# Allegro board RK3588S_Template_LP4XD200P232SD10H2_30X30_2133MHz_H1R6_V11_20220218YWQ.brd (continued)
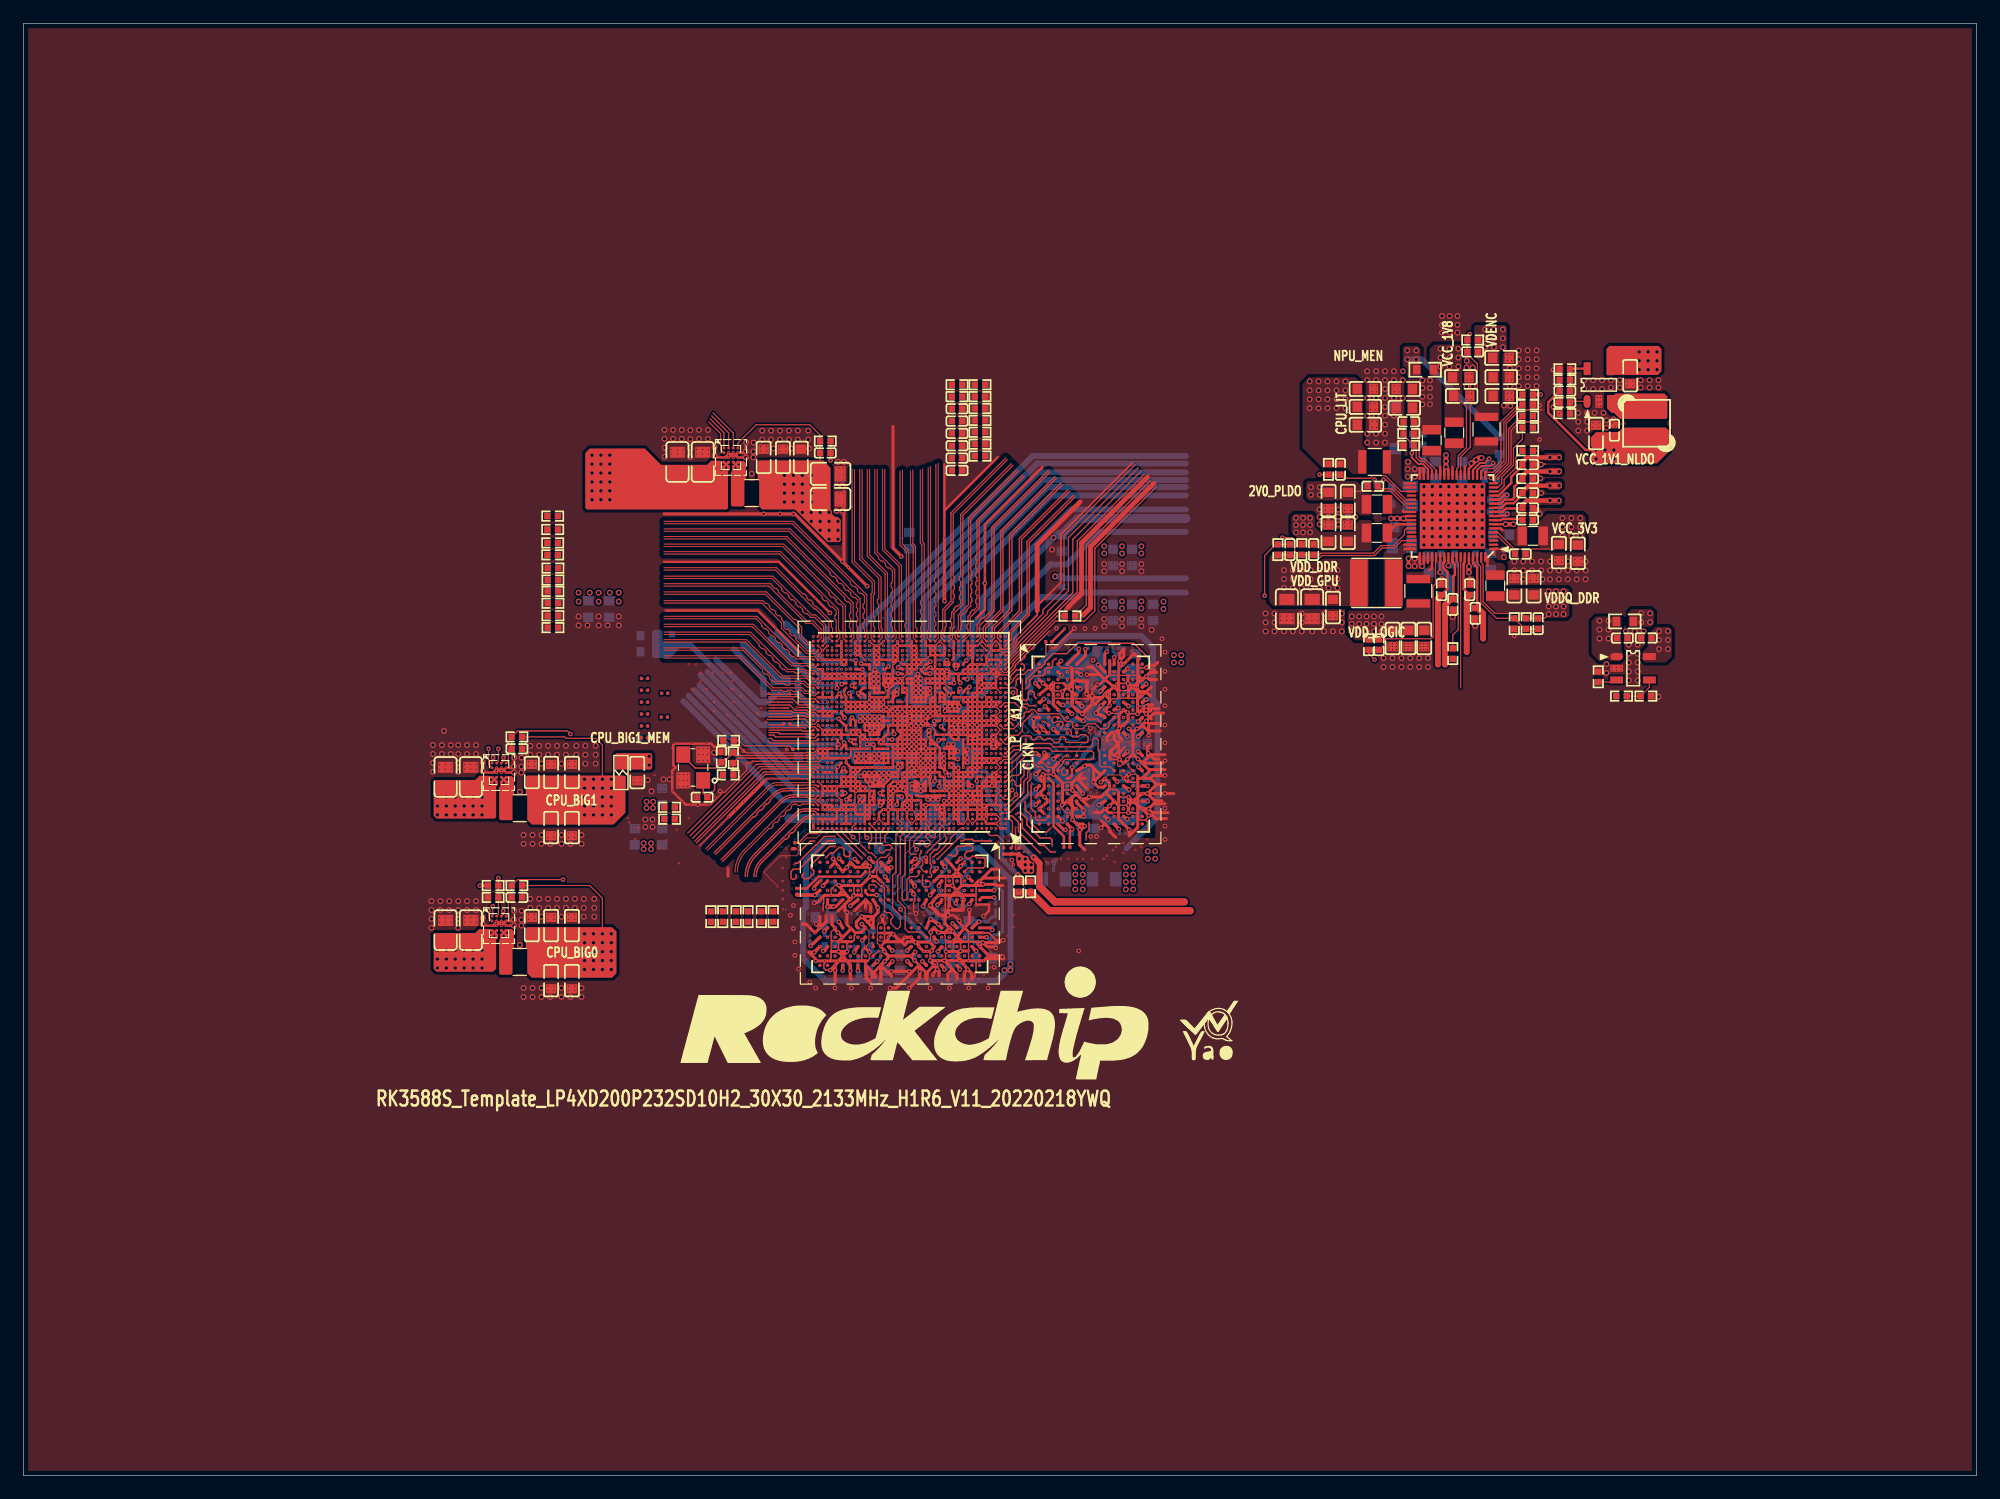
[diagram p0: board, top side]
## Nets (continued)
PMIC_VDC: C2260.1 D2600.2(CATHODE) R2264.2 R2265.2 U2200.32(VDC)
PWM8_M2: R1931.2
PWRON_L: C2261.1 U2200.4(PWRON)
RK803_EN1_FLOOD: U1000.AW26(GPIO4_A7_D)
RK803_EN2_PRO: U1000.AV23(GPIO4_B3_U)
RTC_32K_IN: U1000.AD38(GPIO0_B2_U)
RTC_INT_L: U1000.AC37(GPIO0_B0_Z)
SARADC_VIN0_BOOT: C1500.1 R1501.2 R1502.1 U1000.AW15(SARADC_IN0_BOOT)
SARADC_VIN1_KEY/RECOVERY: C1501.1 R1500.1 U1000.AY13(SARADC_IN1)
SARADC_VIN3_HP_HOOK: C1503.1 U1000.AV13(SARADC_IN3)
SARADC_VIN4_BATT_TC_L: C1504.1 R1506.2 R1508.1 U1000.AY15(SARADC_IN4)
SARADC_VIN5: C1505.1 R1520.1 R1521.1 U1000.AW13(SARADC_IN5)
SARADC_VIN5_HW_ID: R1505.2 R1507.1 R1520.2
SD_CLK: R1320.1 U1000.AR1(GPIO4_D5_D)
SDIO_CLK_M1: R1918.1 U1000.AV38(GPIO3_A5_D)
SDIO_CLK_M1_WIFI: R1918.2
SDIO_CMD_M1_WIFI: U1000.AT39(GPIO3_A4_D)
SDIO_D0_M1_WIFI: U1000.AR38(GPIO3_A0_U)
SDIO_D1_M1_WIFI: U1000.AR37(GPIO3_A1_U)
SDIO_D2_M1_WIFI: U1000.AT38(GPIO3_A2_U)
SDIO_D3_M1_WIFI: U1000.AT40(GPIO3_A3_U)
SDMMC_CLK: R1320.2
SDMMC_CMD: U1000.AU1(GPIO4_D4_U)
SDMMC_D0: U1000.AV2(GPIO4_D0_U)
SDMMC_D1: U1000.AR2(GPIO4_D1_U)
SDMMC_D2: U1000.AV1(GPIO4_D2_U)
SDMMC_D3: U1000.AT1(GPIO4_D3_U)
SDMMC_DET_L: U1000.AC38(GPIO0_A4_U)
SDMMC_PWREN: U1000.AV27(GPIO4_B4_U)
SL_PWREN: U1000.AW39(GPIO3_C3_D)
SLEEP1_RESET1_DEVOFF1_VSEL1: U1000.W41(GPIO0_A2_D) U2200.62(PWRCTRL1)
SPI2_CLK_M2: R1115.1 U1000.Y39(GPIO0_A5_D)
SPI2_MOSI_M2: R1116.1 U1000.W39(GPIO0_A6_Z)
SPI4_MISO_M2_TP: U1000.G40(GPIO1_A0_D)
SPI4_MOSI_M2_TP: U1000.L40(GPIO1_A1_D)
SPK_CTL_H: U1000.AU15(GPIO4_A5_D)
TP_INT_L: U1000.D40(GPIO1_B5_U)
TP_RST_L: U1000.M39(GPIO1_B4_U)
TSADC_SHUT: R1104.2 U1000.AC39(GPIO0_A1_Z)
TYPEC0_DP0_REXT: R1400.1 U1000.AW11(TYPEC0_DP0_REXT)
TYPEC0_OTG_DM: U1000.AY10(TYPEC0_USB20_OTG_DM)
TYPEC0_OTG_DP: U1000.AY11(TYPEC0_USB20_OTG_DP)
TYPEC0_OTG_VBUSDET: U1000.AV10(TYPEC0_USB20_VBUSDET)
TYPEC0_SBU1: U1000.BA8(TYPEC0_SBU1/DP0_AUXP)
TYPEC0_SBU1_DC: U1000.AV19(GPIO4_A0_D)
TYPEC0_SBU2: U1000.BB8(TYPEC0_SBU2/DP0_AUXN)
TYPEC0_SBU2_DC: U1000.AW18(GPIO4_A1_D)
TYPEC0_SSRX1N: U1000.BA10(TYPEC0_SSRX1N/DP0_TX0N)
TYPEC0_SSRX1P: U1000.BB10(TYPEC0_SSRX1P/DP0_TX0P)
TYPEC0_SSRX2N: U1000.BA13(TYPEC0_SSRX2N/DP0_TX2N)
TYPEC0_SSRX2P: U1000.BB13(TYPEC0_SSRX2P/DP0_TX2P)
TYPEC0_SSTX1N: U1000.BA11(TYPEC0_SSTX1N/DP0_TX1N)
TYPEC0_SSTX1P: U1000.BB11(TYPEC0_SSTX1P/DP0_TX1P)
TYPEC0_SSTX2N: U1000.BA14(TYPEC0_SSTX2N/DP0_TX3N)
TYPEC0_SSTX2P: U1000.BB14(TYPEC0_SSTX2P/DP0_TX3P)
TYPEC0_USB20_OTG_ID: U1000.AW10(TYPEC0_USB20_OTG_ID)
UART2_RX_M0: U1000.AH40(GPIO0_B6_D)
UART2_TX_M0: U1000.AH39(GPIO0_B5_D)
UART9_CTSN_M2_BT: U1000.AY31(GPIO3_D3_D)
UART9_RTSN_M2_BT: U1000.AY30(GPIO3_D2_D)
UART9_RX_M2_BT: U1000.AV31(GPIO3_D4_D)
UART9_TX_M2_BT: U1000.AW30(GPIO3_D5_D)
USB20_HOST0_DM: U1000.AV6(USB20_HOST0_DM)
USB20_HOST0_DP: U1000.AW6(USB20_HOST0_DP)
USB20_HOST1_DM: U1000.AW7(USB20_HOST1_DM)
USB20_HOST1_DP: U1000.AV7(USB20_HOST1_DP)
USB30_2_SSRXN: U1000.C42(PCIE20_2_RXN/SATA30_2_RXN/USB30)
USB30_2_SSRXP: U1000.D42(PCIE20_2_RXP/SATA30_2_RXP/USB30)
USB30_2_SSTXN: U1000.D41(PCIE20_2_TXN/SATA30_2_TXN/USB30)
USB30_2_SSTXP: U1000.E41(PCIE20_2_TXP/SATA30_2_TXP/USB30)
USB_AVDD_1V8: C1406.1 R1401.1 R1402.1 U1000.AT13(USB20_AVDD_1V8_1) U1000.AT14(USB20_AVDD_1V8_2)
USB_HOST_PWREN_H: U1000.AU23(GPIO4_B5_D)
VSEL2: U1000.AD39(GPIO0_A3_D) U2300.A1(VSEL)
VSEL3: U1000.AM38(GPIO0_C1_D) U2302.A1(VSEL)
VSEL4: R2290.1 U1000.AG36(GPIO0_C2_D)
VSEL5: R2242.1 U1000.AH38(GPIO0_C3_D)
VSEL6: U1000.AG42(GPIO0_D6_D) U2301.A1(VSEL)
WIFI_REG_ON_H: U1000.AL40(GPIO0_C7_D)
WIFI_WAKE_HOST_H: U1000.W38(GPIO0_A0_D)
XIN: C1112.1 R1102.2 U1000.T41(XIN_24M) Y1100.3(X2)
XOUT: R1100.2 R1102.1 U1000.T42(XOUT_24M)
N29482643: R3816.1 U3801.P4(CKE0_B)
N29482645: R3817.1 U3801.P5(CKE1_B)
N29482655: R3803.1 U3801.T2(ODT_CA_B)
N29482661: R3802.2 U3801.G2(ODT_CA_A)
N29482667: R3805.2 U3801.A5(ZQ0)
N29482669: R3807.2 U3801.A8(ZQ1)
N29584131: R3810.2 U3800.J4(CKE0_A)
N29584146: R3811.2 U3800.J5(CKE1_A)
N29609736: R3814.2 U3801.J4(CKE0_A)
N29609761: R3815.2 U3801.J5(CKE1_A)
N30600922: R1202.1 U1000.A5(DDR_CH1_ZQ_C)
N30600936: R1200.1 U1000.AM1(DDR_CH0_ZQ_A)
N30601110: R1201.1 U1000.C1(DDR_CH0_ZQ_B)
N30601240: R1203.1 U1000.A40(DDR_CH1_ZQ_D)
N30910269: C2265.1 U2200.8(NLDO5)
N30961579: L2302.1 U2302.D3(SW_1) U2302.D4(SW_2) U2302.E3(SW_3) U2302.E4(SW_4)
N30962042: C2329.1 R2305.2 U2303.1(EN)
N30962062: C2326.2 R2306.2 R2307.1 U2303.5(FB/OUT)
N30962090: L2303.1 U2303.3(LX)
N30962978: L2301.1 U2301.D3(SW_1) U2301.D4(SW_2) U2301.E3(SW_3) U2301.E4(SW_4)
N30963105: L2300.1 U2300.D3(SW_1) U2300.D4(SW_2) U2300.E3(SW_3) U2300.E4(SW_4)
N31111434: R1305.1 U1000.AB42(GPIO2_D4_U)
N31111436: R1330.1 U1000.AD42(GPIO2_D5_U)
N31111592: R1309.1 U1000.AB41(GPIO2_A1_D)
N32124849: R2309.2 R2310.1 U2304.4(EN)
N32124977: R2311.1 U2304.3(OCB)
N63380616: R3813.1 U3800.P5(CKE1_B)
N63380618: R3812.1 U3800.P4(CKE0_B)
N63380732: R3801.1 U3800.T2(ODT_CA_B)
N63380738: R3800.2 U3800.G2(ODT_CA_A)
N63380744: R3804.2 U3800.A5(ZQ0)
N63380746: R3806.2 U3800.A8(ZQ1)
N64919975: C1111.1 R1100.1 Y1100.1(X1)

Pads without a net: U1000 AH37 AK9 B13 B25 P1; U2200 2 3 38 47 48; U3800 A1 A2 A11 A12 AA1 AA12 AB1 AB2 AB11 AB12 B1 B12 G11 K5 K8 N5 N8; U3801 A1 A2 A11 A12 AA1 AA12 AB1 AB2 AB11 AB12 B1 B12 G11 K5 K8 N5 N8

## Via types
v1: diameter 0.4, hole 0.2, TOP to BOTTOM, 518 vias
v2: diameter 0.2, hole 0.1, TOP to L3-S1, 1392 vias
v3: diameter 0.4, hole 0.2, L3-S1 to L8-S3, 544 vias
v4: diameter 0.2, hole 0.1, L8-S3 to BOTTOM, 665 vias
v5: diameter 0.5, hole 0.3, TOP to BOTTOM, 804 vias
v6: diameter 0.2, hole 0.1, L8-S3 to L9-GND3, 667 vias
v7: diameter 0.2, hole 0.1, TOP to L2-GND1, 536 vias
v8: diameter 0.2, hole 0.1, L2-GND1 to L3-S1, 760 vias
v9: diameter 0.2, hole 0.1, L7-GND2 to BOTTOM, 4 vias
v10: diameter 0.2, hole 0.1, L9-GND3 to BOTTOM, 401 vias

## Routing (per net, layer and track width the routed paths; a pad name or vN(x,y) marks a point on that pad's centre or on a via; arc(x,y) is an arc through that point)
AVDD1V8_DDR_PLL_S0: length 24.9
  TOP w0.203: v1(78.19,62.85) 78.34,62.85 78.39,62.9 U1000.Y14 ; U1000.L15 78.29,59.01 78.23,58.95 v1(78.23,58.9)
  TOP w0.508: R2274.2 C2290.1 84.96,50.82 v1(84.96,51.31)
  L8-S3 w0.203: v1(78.19,62.85) 78.19,62.86 78.7,63.37 79.44,63.37 79.84,62.97 79.84,62.46 80.25,62.05 80.25,61.51 80.24,61.51 80.24,60.77 80.26,60.75 80.26,60.29 78.88,58.9 v1(78.23,58.9)
  BOTTOM w0.254: v1(78.23,58.9) 78.36,59.03 80.38,59.03
  BOTTOM w0.279: C1209.1 77.95,62.45 78.19,62.69 v1(78.19,62.85)
  BOTTOM w0.305: 82.17,59.43 81.81,59.79 81.14,59.79 80.38,59.03 ; C1214.1 78.39,58.75 v1(78.23,58.9)
  BOTTOM w0.406: v1(84.96,51.31) 83.59,52.68 83.59,56.62 82.42,57.78 82.42,58.55 82.17,58.8 82.17,59.43
GND: length 2440.9
  TOP w0.064: v2(68.67,54.92) 68.2,54.92 67.76,54.48 66.91,54.48 66.2,53.77 66.2,53.12 66.04,52.96 64.64,52.96 63.25,51.56 64.42,50.39 64.42,50.23
  TOP w0.076: v2(93.99,59.57) 93.7,59.86 92.68,59.86 v7(92.39,59.57) ; v7(71.95,46.8) 72.24,46.51 72.24,45.49 v2(71.95,45.2)
  TOP w0.079: 93.58,60.58 93.5,60.66 93.5,61.03 v1(93.66,61.18) ; 72.96,46.42 72.96,46.29 ; 72.96,46.42 72.96,47.02 v2(73.15,47.21) ; 72.96,46.42 v7(73.02,46.36) 72.96,46.29 ; 72.96,46.29 72.96,45.88 73.15,45.69 73.41,45.69 v3(73.56,45.54)
  TOP w0.102: v2(83.09,55.7) 83.09,55.7 v7(83.49,56.1) v7(83.09,56.5) ; 85.6,70.1 85.6,69.98 v7(85.47,69.85) 85.22,69.6 85.09,69.6 ; 85.6,70.1 85.09,69.6 ; 85.6,70.1 86.36,70.87 ; 79.38,44.78 79.45,44.86 79.45,45.44 ; U3801.P10 72.96,45.49 72.96,45.88 ; 89.54,68.98 90.12,68.98 ; 90.12,68.98 90.19,68.9 v2(90.55,68.9) 90.49,68.96 90.36,68.96 90.35,68.98 90.12,68.98 ; v7(82.29,70.9) U1000.BA6 v7(81.49,70.9) ; 69.47,45.69 69.7,45.69 ; 69.47,45.69 69.66,45.5 ; 69.47,45.69 69.19,45.69 ; U1000.B3 v7(83.49,55.3) ; 71.63,49.52 71.63,50.1 71.59,50.15 71.59,50.39 71.57,50.41 ; v2(80.29,55.7) v7(80.69,56.1) v7(81.09,55.7) v7(81.49,56.1) ; v7(83.09,62.1) v2(83.49,62.5) U1000.Y3 ; 63.69,65.58 v2(64.06,65.58) v7(65.35,65.58) ; v7(77.42,45.59) 77.49,45.66 77.5,45.7 77.5,46.13 77.52,46.14 v1(77.52,46.43) ; v7(68.29,57.3) v7(67.89,57.7) v2(68.29,58.1) ; 69.02,45.72 69.02,46.46 v7(69.35,46.8) ; 69.02,45.72 69.02,45.52 ; 69.02,45.72 69.05,45.69 69.19,45.69 ; 87.69,72.2 86.36,70.87 ; 86.36,70.87 86.36,70.74 v7(86.23,70.61) ; v7(93.57,57.39) 93.68,57.28 93.69,57.28 ; 84.73,69.22 84.73,69.24 84.96,69.47 ; 84.73,69.22 84.73,69.06 84.09,68.41 83.58,68.41 83.5,68.5 83.49,68.5 v7(83.09,68.9) v7(83.49,69.3) ; 84.73,69.22 v2(84.86,69.34) 84.96,69.44 84.96,69.47 ; 89.67,59.25 89.09,59.25 89.05,59.21 88.8,59.21 88.78,59.19 ; v7(83.09,67.3) v7(83.49,66.9) ; 63.8,66.76 63.61,66.76 v2(63.7,66.85) 63.8,66.76 ; 63.8,66.76 64.5,66.76 ; v2(69.89,57.7) v2(69.49,58.1) ; 129.79,91.06 127.85,91.06 126.7,89.91 126.7,86.57 125.37,85.25 v1(125.37,85.24) ; v7(68.29,61.3) 68,61.01 64.47,61.01 64.44,61.04 v2(64.11,61.04) v2(63.35,61.04) 62.28,61.04 62.13,60.88 v2(61.8,60.88) 61.8,60.24 59.94,58.38 59.6,58.38 59.61,58.37 59.61,58.23 58.71,57.33 v2(58.5,57.33) ; 94.42,57.27 94.13,57.27 94.12,57.28 93.69,57.28 ; v7(73.25,52.4) 73.25,52.03 72.91,51.68 72.91,51.23 72.87,51.19 ; U1000.C24 v7(75.09,55.7) ; 93.58,67.25 93.76,67.07 ; 93.76,67.07 94.34,67.07 94.41,67 ; 93.76,67.07 93.66,67.07 v7(93.58,66.99) ; v7(89.19,61.52) 89.02,61.52 88.39,60.89 v7(88.39,60.87) ; v7(73.25,50.8) 73.27,50.8 73.9,50.17 v2(73.9,50) ; v1(88.75,57.29) 88.75,56.98 89.11,56.63 89.51,56.63 89.61,56.53 ; v2(84.84,53.47) 84.76,53.54 v7(84.76,55.37) ; v2(83.09,63.3) v7(83.49,63.7) v7(83.09,64.1) v7(83.49,64.5) 83.08,64.91 v2(83.08,64.92) 83.11,64.92 v7(83.49,65.3) v7(83.09,65.7) v7(83.49,66.1) ; 70.35,45.46 70.51,45.62 ; 70.35,45.46 70.35,45.47 70.2,45.62 ; 70.35,45.46 70.35,44.78 v1(70.36,44.77) ; U1000.AM41 v7(68.29,68.1) ; v2(63.32,59.36) 63.49,59.53 67.01,59.53 v2(67.06,59.48) ; 64.5,66.76 v7(64.59,66.85) 64.69,66.76 ; 64.5,66.76 64.69,66.76 ; v7(69.76,45.62) 69.66,45.51 69.66,45.5 ; v7(68.96,49.58) 69.01,49.62 69.01,50.08 69.36,50.44 v1(69.67,50.44) ; v7(68.29,70.5) v7(68.69,70.9) ; v7(68.29,70.5) v7(67.89,70.9) ; v7(68.29,70.5) v7(67.89,70.1) v7(68.29,69.7) ; 69.02,45.52 69.19,45.69 ; 69.02,45.52 69.02,44.78 ; 93.67,56.64 92.96,56.64 ; 93.67,56.64 93.5,56.81 93.5,57.09 ; 93.67,56.64 v1(94.41,56.64) ; v2(82.69,68.9) U1000.AT5 ; v7(66.5,66.63) 66.37,66.76 65.58,66.76 ; 76.29,56.42 v2(76.29,56.5) v2(75.89,56.9) ; 64.69,66.76 65.39,66.76 ; 65.39,66.76 65.58,66.76 ; 65.39,66.76 v7(65.48,66.85) 65.58,66.76 ; v7(77.09,69.7) 77.49,70.1 ; v2(63.45,64.41) 63.47,64.39 63.5,64.39 63.53,64.36 ; v1(76.05,49.68) 76.16,49.57 76.16,49.07 76.05,48.97 76.05,48.23 v1(76.25,48.03) ; v7(79.37,45.61) 79.45,45.53 79.45,45.44 ; v7(72.69,55.7) v7(73.09,56.1) v2(73.49,55.7) ; v1(94.42,57.98) 94.41,57.97 93.73,57.97 ; v1(94.47,59.91) 95.06,59.91 95.21,59.76 ; v7(86.79,60.87) 87.16,60.87 87.51,60.53 87.97,60.53 88.01,60.49 ; 84.96,69.47 85.09,69.6 ; v7(75.49,56.1) v7(75.89,55.7) v2(76.29,56.1) ; 93.69,57.28 93.5,57.09 ; v7(65.53,65.1) 63.69,65.1 ; v7(93.61,65.04) 93.53,65.11 93.49,65.12 93.07,65.12 93.05,65.14 v1(92.77,65.14) ; v1(78.84,44.77) 78.84,45.03 78.8,45.07 78.8,45.56 v7(78.86,45.61) 78.76,45.71 78.76,46.13 78.7,46.18 78.7,46.4 ; v2(72.29,71.3) v7(72.69,70.9) ; v2(75.09,68.1) v2(75.49,68.5) ; 81.09,61.1 v2(81.2,61.21) 81.29,61.3 ; v1(90.46,65.1) 90.92,64.64 91.77,64.64 v2(92.06,64.35) ; v7(66.17,64.39) 66.13,64.36 ; 93.73,57.97 93.72,57.97 93.57,57.82 ; 93.73,57.97 93.57,58.13 ; v2(59.45,62.28) 61.16,62.28 61.56,61.89 ; 93.5,57.09 93.5,57.32 ; 85.81,72.72 84.63,71.54 v2(84.63,71.38) 84.6,71.36 84.6,71.22 83.99,70.61 83.59,70.61 v7(83.49,70.51) ; v7(80.77,43.98) 80.77,44.25 80.75,44.27 80.75,45.59 v7(80.77,45.61) 80.75,45.63 80.75,46.3 v7(80.83,46.38) ; 79.45,45.44 79.63,45.61 ; v7(77.49,55.7) v7(77.09,56.1) ; U3800.P10 93.7,60.58 93.58,60.58 ; v7(67.89,64.1) v7(68.29,63.7) ; v2(83.09,68.1) v2(83.49,68.5) ; U1000.K3 v2(83.49,58.5) v7(83.09,58.1) ; v7(78.69,70.9) v2(78.29,71.3) v7(77.89,70.9) ; v2(79.22,67.26) 79.13,67.26 v2(78.69,67.7) ; v2(125.98,85.17) 125.98,85.28 127.1,86.4 127.1,89.33 127.82,90.04 129.67,90.04 ; 69.66,45.5 69.66,45.07 69.65,45.06 v1(69.65,44.77) ; v2(67.89,59.3) v7(68.29,58.9) ; v2(82.29,66.5) 82.29,66.51 v2(81.89,66.9) ; v2(74.37,69.39) 74.29,69.31 v2(74.29,68.9) ; v7(83.49,59.3) v7(83.49,59.7) U1000.N3 v7(83.49,60.5) v7(83.09,60.9) U1000.T2 ; v1(72.29,44.72) 72.29,44.13 72.14,43.98 ; v7(73.09,70.9) v2(73.49,71.3) ; 71.12,58.5 71.04,58.43 71.04,57.35 v2(71.09,57.3) ; v2(82.69,70.5) v2(82.29,70.1) ; v7(65.64,66.09) 63.69,66.09 ; 63.69,63.9 66.74,63.9 v7(66.78,63.85) ; v2(77.89,63.7) v2(77.49,64.1) ; v7(67.89,62.1) 67.57,61.78 67.11,61.78 67.1,61.79 66.92,61.79 66.87,61.75 61.77,61.75 61.69,61.82 v2(61.47,61.82) ; v7(92.81,68.45) 92.89,68.37 93.56,68.37 v7(93.58,68.39) 93.6,68.37 94.92,68.37 94.94,68.39 v7(95.21,68.39) ; 92.79,66.32 93.01,66.32 93.07,66.38 93.48,66.38 v7(93.58,66.48) 93.64,66.42 94.12,66.42 94.16,66.46 v3(94.42,66.46) ; v2(74.69,69.7) v2(75.09,69.3) ; v1(75.18,58.57) 75.4,58.13 v2(75.49,58.1) ; v7(82.69,70.9) v2(83.09,71.3) v7(83.49,70.9) ; v2(71.89,69.7) v2(71.49,70.1) ; v2(60.27,56.31) 57.77,53.81
  TOP w0.104: v5(127.04,91.39) 126.96,91.46 C2237.2 ; C2255.2 v5(129.67,86.39)
  TOP w0.122: 89.22,74.17 89.09,74.04 v2(89.03,74.04)
  TOP w0.127: v1(72.29,52.07) 72.29,51.28 72.34,51.22 v1(72.34,51.19) ; 77.55,44.8 77.47,44.72 v1(77.47,44.01) ; v1(91.32,66.61) 91.09,66.39 88.85,66.39 88.78,66.46 88.73,66.41 88.07,66.41 v7(87.99,66.49) ; v7(95.21,69.03) 95.44,69.03 95.46,69.01 95.88,69.01 95.9,69.03 v1(95.95,69.03) 96,69.08 96.16,68.93 96.53,68.93 96.81,68.65 ; 80.09,50.33 80.09,50.65 ; v7(87.99,67.77) 88.06,67.71 88.5,67.71 ; 81.03,42.39 81.31,42.67 81.31,43.04 81.39,43.12 81.39,43.73 81.41,43.75 v7(81.41,43.98) ; v1(88.78,66.99) 88.75,66.99 88.7,67.04 88.06,67.04 v7(87.99,66.98) ; 80.07,45.68 80.07,44.83 v1(80.06,44.82) ; v1(87.13,59.91) 87.92,59.91 87.92,59.91 v1(88.01,59.91) ; v3(73.56,45.54) 73.56,45.86 73.57,45.87 v7(73.57,46.36) 73.57,47.12 v2(73.61,47.16) ; v7(88.39,69.32) v7(88.71,69.01) 89.43,69.01 89.46,69.04 v2(89.48,69.04) ; 69.02,44.78 69.02,44.53 69.02,44.53 69.02,44.27 68.96,44.21 68.96,43.98 ; 94.39,65.17 94.47,65.09 v1(95.18,65.09) ; v7(81.39,49.62) 81.39,50.48 v7(81.7,50.8) ; v7(81.39,49.62) v7(81.39,48.69) ; v7(81.39,49.62) 81.37,49.59 ; v1(68.93,43.18) 68.55,43.18 68.39,43.34 68.39,43.73 68.45,43.79 v2(68.45,43.98) ; v1(79.37,50.41) 79.37,50.44 79.42,50.49 79.42,51.14 v7(79.35,51.2) ; 95.21,59.25 94.55,59.25 ; 80.09,50.69 80.09,51.14 v7(80.15,51.2) ; 68.37,49.52 68.37,48.92 68.33,48.87 68.33,48.28 ; v1(70.92,49.55) 70.97,49.6 70.97,50.41 ; v2(78.1,44) 78.1,43.28 v1(78.08,43.25) ; v2(96.07,55.11) 96.07,55.12 v2(96.07,55.71) 96.07,55.82 95.88,56.01 95.85,56.01 ; v1(96.14,56.39) 96.1,56.34 96.1,56.25 95.85,56.01 ; 71.95,45.18 71.63,44.85 71.63,43.98 ; 95.21,56.07 95.4,56.07 95.46,56.01 95.85,56.01 ; 71.05,46.4 71.05,46.2 70.99,46.13 70.99,45.77 70.84,45.62 70.74,45.62 ; v3(92.84,61.19) 93.32,61.19 93.33,61.18 v1(93.66,61.18) ; 93.51,67.69 94.36,67.69 v1(94.37,67.68) ; v1(94.41,56.64) 94.66,56.64 94.66,56.64 94.92,56.64 94.98,56.58 95.21,56.58 ; v7(78.87,51.2) 78.79,51.12 78.79,50.47 78.84,50.41 78.77,50.34 78.77,48.1 v1(78.99,47.87) ; v1(89.64,58.54) 89.59,58.59 88.78,58.59 ; v1(95.94,65.7) 95.92,65.73 v2(95.19,65.73) ; v1(78.68,44) 78.79,44.11 78.79,44.72 v1(78.84,44.77) ; v3(94.42,66.46) 94.47,66.41 95.08,66.41 95.19,66.3 ; 88.86,67.71 88.54,67.71 ; v7(92.79,58.68) 93,58.68 93.06,58.61 93.43,58.61 93.57,58.47 93.57,58.36
  TOP w0.152: 94.79,86.56 88.65,80.41 88.65,76.33 86.61,74.3 ; v7(82.04,46.38) 82.49,46.38 83.13,45.74 83.57,45.74 ; 85.81,72.72 86.61,73.53 86.61,73.91 ; 94.41,67 v7(94.79,67.37) 94.52,67.37 v2(94.51,67.39) 94.41,67.29 ; 59.9,87 60.25,87.34 U2302.B2 ; v2(70.29,61.3) 70.54,61.3 v2(70.69,61.45) U1000.V34 ; 80.09,50.65 80.09,50.69 ; 40.07,46.99 v2(40.44,47.36) U2300.B2 ; v2(70.14,67.07) 70.14,66.73 70.29,66.58 v7(70.29,66.5) ; v2(40.07,60.07) 40.44,60.45 40.44,60.47 ; 88.54,67.71 88.5,67.71 ; v1(89.79,72.39) 88.14,70.74 v7(87.76,70.74) ; 88.91,67.66 88.86,67.71 ; 80.09,50.33 80.04,50.28 ; 94.36,59.8 v1(94.47,59.91) 94.33,59.91 v2(93.99,59.57) 94.32,59.25 94.55,59.25 v2(94.49,59.31) 94.36,59.44 v2(94.36,59.56) 94.36,59.8